# Altium PCB RFSOC_SAWG.PcbDoc (part 5 of 15) (continued)
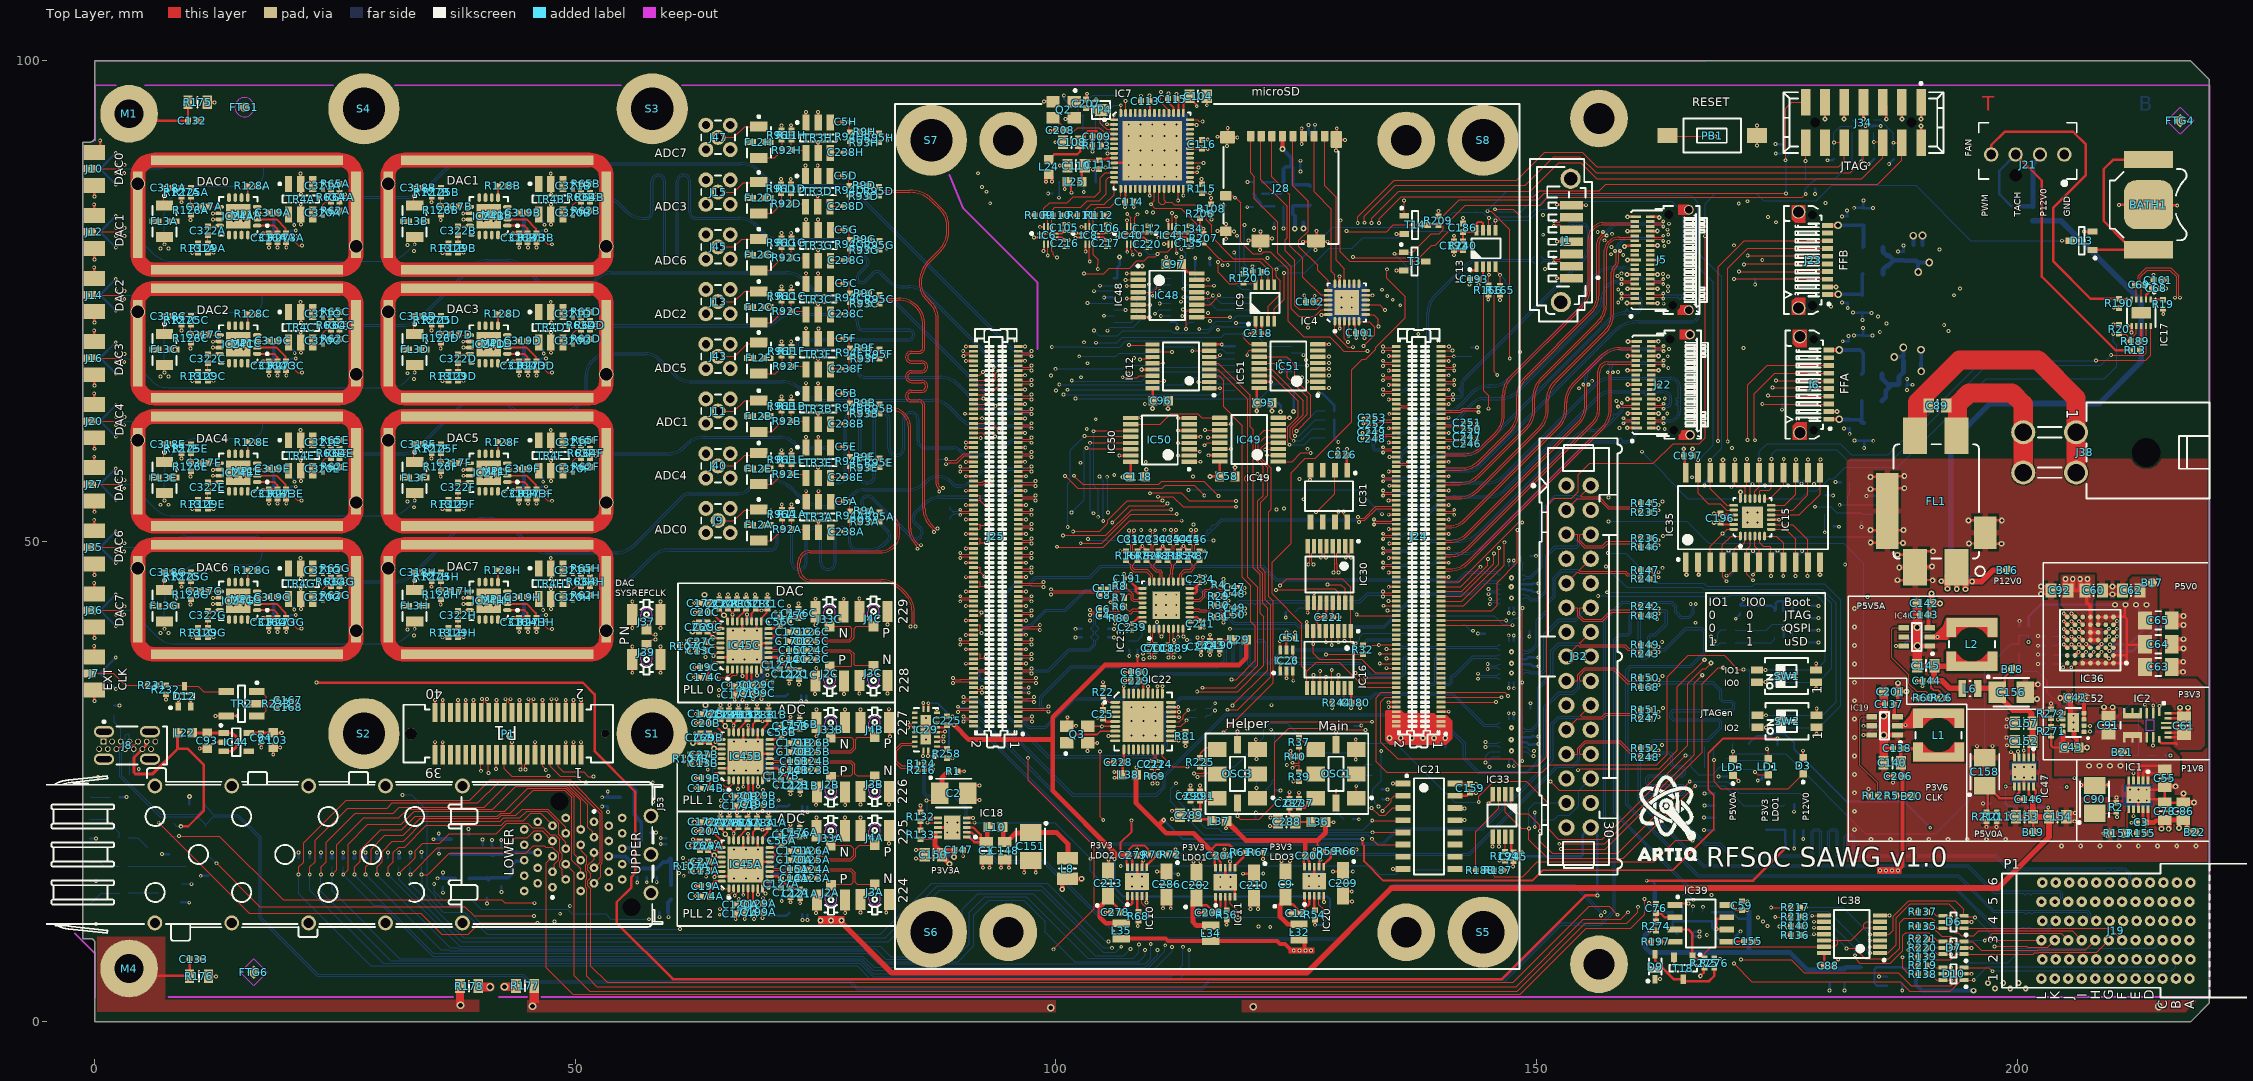
[diagram p0: Top Layer view]
## Nets (pads, with @x,y where several pads share a name; then routed paths per layer and width w, separated by ;. In a path a pad name is that pad's centre, name@x,y a point inside that pad or via, vN(x,y) a via of type N, cw(c..) or ccw(c..) an arc to the next point about the centre after c; other vN are vias at no path point) (continued)
ADC_C0D_P: C5D.2 R9D.1 R94D.2 | length 2.1
  Top Layer w0.1: C5D.2@78.466,88.059 78.466,87.067 R94D.2@78.528,87.005 78.566,87.043 R9D.1@79.582,87.043
ADC_C0E_N: C238E.2 R93E.1 R94E.1 | length 2.3
  Top Layer w0.1: C238E.2@78.515,56.66 78.515,57.779 R94E.1@78.577,57.841 79.428,57.841 R93E.1@79.593,57.676
ADC_C0E_P: C5E.2 R9E.1 R94E.2 | length 2.1
  Top Layer w0.1: C5E.2@78.515,59.835 78.515,58.843 R94E.2@78.577,58.781 78.615,58.819 R9E.1@79.631,58.819
ADC_C0F_N: C238F.2 R93F.1 R94F.1 | length 2.3
  Top Layer w0.1: C238F.2@78.515,67.963 78.515,69.082 R94F.1@78.577,69.144 79.428,69.144 R93F.1@79.593,68.979
ADC_C0F_P: C5F.2 R9F.1 R94F.2 | length 2.1
  Top Layer w0.1: C5F.2@78.515,71.138 78.515,70.146 R94F.2@78.577,70.084 79.593,70.084 R9F.1@79.631,70.122
ADC_C0G_N: C238G.2 R93G.1 R94G.1 | length 2.3
  Top Layer w0.1: C238G.2@78.515,79.266 78.515,80.385 R94G.1@78.577,80.447 79.428,80.447 R93G.1@79.593,80.282
ADC_C0G_P: C5G.2 R9G.1 R94G.2 | length 2.1
  Top Layer w0.1: C5G.2@78.515,82.441 78.515,81.449 R94G.2@78.577,81.387 78.615,81.425 R9G.1@79.631,81.425
ADC_C0H_N: C238H.2 R93H.1 R94H.1 | length 2.3
  Top Layer w0.1: C238H.2@78.504,90.461 78.504,91.58 R94H.1@78.566,91.642 79.417,91.642 R93H.1@79.582,91.477
ADC_C0H_P: C5H.2 R9H.1 R94H.2 | length 2.1
  Top Layer w0.1: C5H.2@78.504,93.636 78.504,92.644 R94H.2@78.566,92.582 79.582,92.582 R9H.1@79.62,92.62
ADC_CLK_224_N: C15A.2 C124A.1 J25.35 | length 44.7
  Top Layer w0.093: J25.35@96.085,39.272 96.4,39.272 96.54,39.412 97.35,39.412 97.45,39.312 v1(97.45,39.259)
  Mid-Layer 6 w0.08: v8(73.74,15.796) 73.733,15.796 73.446,15.509 72.891,15.509 72.618,15.236 72.618,14.551 73.026,14.143 76.752,14.143 85.93,23.32 85.932,23.32 89.13,26.518 90.761,26.518 91.8,27.557 91.8,35.15 92.043,35.393 94.536,35.393 94.832,35.689 94.832,37.7 96.551,39.419 97.243,39.419 97.403,39.259 v1(97.45,39.259)
ADC_CLK_224_P: C14A.2 C123A.1 J25.37 | length 44.7
  Top Layer w0.093: J25.37@96.085,39.772 96.4,39.772 96.54,39.632 97.35,39.632 97.45,39.732 v1(97.45,39.786)
  Mid-Layer 6 w0.08: v8(73.725,15.015) 73.725,15.022 73.446,15.302 72.977,15.302 72.825,15.15 72.825,14.636 73.111,14.35 73.129,14.35 73.686,14.35 73.756,14.42 73.756,14.43 73.826,14.5 73.966,14.5 74.036,14.43 74.036,14.42 74.106,14.35 74.246,14.35 74.316,14.42 74.316,14.43 74.386,14.5 74.526,14.5 74.596,14.43 74.596,14.42 74.666,14.35 74.806,14.35 74.876,14.42 74.876,14.43 74.946,14.5 75.086,14.5 75.156,14.43 75.156,14.42 75.226,14.35 75.366,14.35 75.436,14.42 75.436,14.43 75.506,14.5 75.646,14.5 75.716,14.43 75.716,14.42 75.786,14.35 75.926,14.35 75.996,14.42 75.996,14.43 76.066,14.5 76.206,14.5 76.276,14.43 76.276,14.42 76.346,14.35 76.666,14.35 85.844,23.527 85.846,23.527 89.044,26.725 90.675,26.725 91.593,27.643 91.593,35.236 91.957,35.6 94.45,35.6 94.625,35.775 94.625,37.786 96.465,39.626 97.243,39.626 97.403,39.786 v1(97.45,39.786)
ADC_CLK_225_N: C126A.1 C171A.2 J25.53 | length 44.7
  Top Layer w0.093: J25.53@96.085,43.772 96.4,43.772 96.54,43.912 97.35,43.912 97.45,43.812 v1(97.45,43.759)
  Mid-Layer 6 w0.08: v8(73.74,17.696) 73.733,17.696 73.446,17.409 73.016,17.409 72.825,17.6 72.825,18.15 73.25,18.575 73.475,18.575 73.795,18.575 73.865,18.505 73.865,18.495 73.935,18.425 74.075,18.425 74.145,18.495 74.145,18.505 74.215,18.575 74.355,18.575 74.425,18.505 74.425,18.495 74.495,18.425 74.635,18.425 74.705,18.495 74.705,18.505 74.775,18.575 74.915,18.575 74.985,18.505 74.985,18.495 75.055,18.425 75.195,18.425 75.265,18.495 75.265,18.505 75.335,18.575 75.475,18.575 75.545,18.505 75.545,18.495 75.615,18.425 75.755,18.425 75.825,18.495 75.825,18.505 75.895,18.575 76.14,18.575 78.375,18.575 80.712,20.912 81.907,22.107 81.907,22.907 86.076,27.076 87.003,27.076 87.073,27.145 88.071,27.145 91.1,30.175 91.1,36.2 92.168,37.268 92.893,37.268 95.075,39.45 95.075,42.207 96.787,43.919 97.243,43.919 97.403,43.759 v1(97.45,43.759)
ADC_CLK_225_P: C125A.1 C170A.2 J25.55 | length 44.8
  Top Layer w0.093: J25.55@96.085,44.272 96.4,44.272 96.54,44.132 97.35,44.132 97.45,44.232 v1(97.45,44.286)
  Mid-Layer 6 w0.08: v8(73.725,16.915) 73.725,16.922 73.446,17.202 72.931,17.202 72.618,17.514 72.618,18.236 73.164,18.782 78.289,18.782 80.626,21.119 81.7,22.193 81.7,22.993 85.99,27.283 86.918,27.283 86.987,27.352 87.985,27.352 90.893,30.261 90.893,36.286 92.082,37.475 92.807,37.475 94.868,39.536 94.868,42.293 96.701,44.126 97.243,44.126 97.403,44.286 v1(97.45,44.286)
ADC_CLK_226_N: C15B.2 C124B.1 J25.71 | length 44.7
  Top Layer w0.093: J25.71@96.085,48.272 96.4,48.272 96.54,48.412 97.35,48.412 97.45,48.312 v1(97.45,48.259)
  Mid-Layer 3 w0.08: v1@97.403,48.259 v1(97.45,48.259)
  Mid-Layer 6 w0.08: v8@73.745,27.036 v8(73.74,27.036) 73.738,27.036 73.451,26.749 72.896,26.749 72.623,26.477 72.623,25.792 72.906,25.509 77.009,25.509 78.612,27.113 78.744,27.244 78.744,27.621 78.01,28.355 78.01,28.56 78.215,28.765 78.42,28.765 79.829,27.356 80.206,27.356 80.532,27.682 80.532,28.059 80.148,28.443 80.148,28.648 80.337,28.838 81.7,30.2 81.7,33.884 82.345,34.529 82.354,34.529 90.15,42.325 91.136,42.325 93.007,44.196 93.007,44.814 96.612,48.419 97.243,48.419 97.403,48.259 v1(97.45,48.259)
ADC_CLK_226_P: C14B.2 C123B.1 J25.73 | length 44.7
  Top Layer w0.093: J25.73@96.085,48.772 96.4,48.772 96.54,48.632 97.35,48.632 97.45,48.732 v1(97.45,48.786)
  Mid-Layer 3 w0.08: v1@97.403,48.786 v1(97.45,48.786)
  Mid-Layer 6 w0.08: v8@73.73,26.255 73.73,26.263 73.451,26.542 72.982,26.542 72.83,26.391 72.83,25.877 72.991,25.716 73.623,25.716 73.693,25.786 73.693,25.796 73.763,25.866 73.903,25.866 73.973,25.796 73.973,25.786 74.043,25.716 74.183,25.716 74.253,25.786 74.253,25.796 74.323,25.866 74.463,25.866 74.533,25.796 74.533,25.786 74.603,25.716 74.743,25.716 74.813,25.786 74.813,25.796 74.883,25.866 75.023,25.866 75.093,25.796 75.093,25.786 75.163,25.716 75.303,25.716 75.373,25.786 75.373,25.796 75.443,25.866 75.583,25.866 75.653,25.796 75.653,25.786 75.723,25.716 75.863,25.716 75.933,25.786 75.933,25.796 76.003,25.866 76.143,25.866 76.213,25.796 76.213,25.786 76.283,25.716 76.603,25.716 76.923,25.716 78.466,27.259 78.537,27.33 78.537,27.535 77.803,28.27 77.803,28.646 78.129,28.972 78.506,28.972 79.915,27.563 80.12,27.563 80.325,27.768 80.325,27.973 79.941,28.357 79.941,28.734 80.191,28.984 81.493,30.286 81.493,33.97 82.259,34.736 82.268,34.736 90.064,42.532 91.05,42.532 92.8,44.282 92.8,44.9 96.526,48.626 97.243,48.626 97.403,48.786 v1(97.45,48.786)
  other v8: 73.725,26.255
ADC_CLK_227_N: C126B.1 C171B.2 J25.89 | length 44.7
  Top Layer w0.093: J25.89@96.085,52.772 96.4,52.772 96.54,52.912 97.35,52.912 97.45,52.812 v1(97.45,52.759)
  Mid-Layer 6 w0.08: v8@73.745,28.936 v8(73.74,28.936) 73.738,28.936 73.451,28.649 73.021,28.649 72.83,28.841 72.83,28.904 72.83,29.224 72.9,29.294 72.91,29.294 72.98,29.364 72.98,29.504 72.91,29.574 72.9,29.574 72.83,29.644 72.83,29.849 72.83,29.98 72.895,30.045 72.945,30.095 73.215,30.095 73.285,30.025 73.285,29.984 73.355,29.914 73.495,29.914 73.565,29.984 73.565,30.025 73.635,30.095 73.775,30.095 73.845,30.025 73.845,29.984 73.915,29.914 74.055,29.914 74.125,29.984 74.125,30.025 74.195,30.095 74.67,30.095 75.614,30.095 75.801,30.095 76.067,30.361 76.067,31.4 76.212,31.545 76.502,31.545 76.647,31.4 76.647,29.89 76.913,29.624 77.375,29.624 77.641,29.89 77.641,29.95 77.786,30.095 78.238,30.095 78.455,30.095 80.4,32.039 80.4,35.155 89.246,44.001 90.745,45.5 91.143,45.5 95.175,49.532 95.175,51.675 96.419,52.919 97.243,52.919 97.403,52.759 v1(97.45,52.759)
ADC_CLK_227_P: C125B.1 C170B.2 J25.91 | length 44.8
  Top Layer w0.093: J25.91@96.085,53.272 96.4,53.272 96.54,53.132 97.35,53.132 97.45,53.232 v1(97.45,53.286)
  Mid-Layer 6 w0.08: v8@73.73,28.155 73.73,28.163 73.451,28.442 72.936,28.442 72.623,28.755 72.623,30.066 72.859,30.302 75.614,30.302 75.715,30.302 75.86,30.447 75.86,31.485 76.126,31.752 76.588,31.752 76.854,31.485 76.854,29.976 76.999,29.831 77.289,29.831 77.434,29.976 77.434,30.035 77.7,30.302 78.238,30.302 78.37,30.302 80.193,32.125 80.193,35.241 89.039,44.086 90.659,45.707 91.057,45.707 94.968,49.618 94.968,51.761 96.333,53.126 97.243,53.126 97.403,53.286 v1(97.45,53.286)
  other v8: 73.725,28.155
ADC_S0A: R11A.1 R92A.2 TR3A.6 | length 2.8
  Top Layer w0.1: R11A.1@72.507,52.356 R92A.2@72.507,51.264 73.732,51.264 74.031,50.966 TR3A.6@74.031,50.944
ADC_S0B: R11B.1 R92B.2 TR3B.6 | length 2.8
  Top Layer w0.1: R11B.1@72.481,63.594 R92B.2@72.481,62.502 73.706,62.502 74.005,62.203 TR3B.6@74.005,62.182
ADC_S0C: R11C.1 R92C.2 TR3C.6 | length 2.8
  Top Layer w0.1: R11C.1@72.481,75.024 R92C.2@72.481,73.932 73.706,73.932 74.005,73.633 TR3C.6@74.005,73.612
ADC_S0D: R11D.1 R92D.2 TR3D.6 | length 2.8
  Top Layer w0.1: R11D.1@72.432,86.23 R92D.2@72.432,85.138 73.658,85.138 73.956,84.839 TR3D.6@73.956,84.818
ADC_S0E: R11E.1 R92E.2 TR3E.6 | length 2.8
  Top Layer w0.1: R11E.1@72.481,58.006 72.481,57.011 R92E.2@72.47,57 73.706,57 74.005,56.701 TR3E.6@74.005,56.594
ADC_S0F: R11F.1 R92F.2 TR3F.6 | length 2.8
  Top Layer w0.1: R11F.1@72.481,69.309 R92F.2@72.481,68.217 73.706,68.217 74.005,67.918 TR3F.6@74.005,67.897
ADC_S0G: R11G.1 R92G.2 TR3G.6 | length 2.8
  Top Layer w0.1: R11G.1@72.481,80.612 R92G.2@72.481,79.52 73.706,79.52 74.005,79.221 TR3G.6@74.005,79.2
ADC_S0H: R11H.1 R92H.2 TR3H.6 | length 2.8
  Top Layer w0.1: R11H.1@72.47,91.807 R92H.2@72.47,90.715 73.696,90.715 73.994,90.416 TR3H.6@73.994,90.395
ALERT_N: IC17.7 J24.15 R20.2 | length 107.7
  Top Layer w0.127: J24.15@140.085,34.272 146.703,34.272 v1(147.05,33.925) ; v1(210.014,71.589) 210.03,71.605 R20.2@210.625,71.605 ; R20.2@210.625,71.529 211.296,71.529 211.5,71.325 211.825,71.325 211.826,71.326 212.083,71.326 212.406,71.65 212.406,72.381 IC17.7@212.425,72.4
  Mid-Layer 3 w0.127: v1(147.05,33.925) 147.078,33.953 148.278,33.953 150.9,36.575 150.9,57.2 153.025,59.325 v1(160.975,59.325)
  Bottom Layer w0.127: v1(160.975,59.325) 163.389,56.911 163.389,56.811 165.75,54.45 177.525,54.45 178.325,55.25 179.175,55.25 180.45,56.525 180.915,56.525 182.115,57.725 187.575,57.725 196.775,66.925 209.063,66.925 210.375,68.237 210.375,70.4 210.014,70.761 v1(210.014,71.589)
B128_CLK1_N: C48.2 J24.91 | length 32.1
  Top Layer w0.093: C48.2@118.958,44.548 118.983,44.548 119.136,44.701 119.136,44.733 119.191,44.788 119.409,44.788 119.563,44.634 v1(119.617,44.634) ; J24.91@140.085,53.272 140.4,53.272 140.54,53.132 141.35,53.132 141.45,53.232 v1(141.45,53.286)
  Mid-Layer 6 w0.08: v1(119.617,44.634) 119.57,44.634 119.41,44.794 119.038,44.794 118.818,45.014 118.818,45.636 119.329,46.146 119.329,47.804 125.325,53.8 132.389,53.8 134.056,52.132 136.327,52.132 137.321,53.126 141.243,53.126 141.403,53.286 v1(141.45,53.286)
B128_CLK1_P: C47.2 J24.89 | length 32.1
  Top Layer w0.093: C47.2@118.958,45.248 118.983,45.248 119.136,45.094 119.136,45.062 119.191,45.008 119.409,45.008 119.563,45.161 v1(119.617,45.161) ; J24.89@140.085,52.772 140.4,52.772 140.54,52.912 141.35,52.912 141.45,52.812 v1(141.45,52.759)
  Mid-Layer 6 w0.08: 119.535,46.06 119.025,45.55 119.025,45.1 119.124,45.001 119.41,45.001 119.57,45.161 v1(119.617,45.161) ; 119.536,46.061 119.536,46.38 119.606,46.45 119.662,46.45 119.732,46.52 119.732,46.66 119.662,46.73 119.606,46.73 119.536,46.8 119.536,46.94 119.606,47.01 119.662,47.01 119.732,47.08 119.732,47.22 119.662,47.29 119.606,47.29 119.536,47.36 119.536,47.661 119.536,47.718 119.684,47.866 119.91,48.092 120.009,48.092 120.045,48.057 120.143,48.057 120.242,48.156 120.242,48.255 120.207,48.29 120.207,48.389 120.409,48.591 125.411,53.593 132.303,53.593 133.971,51.925 136.413,51.925 137.406,52.919 141.243,52.919 141.403,52.759 v1(141.45,52.759)
B128_RX0_N: J5.B15 J24.97 | length 41.8
  Top Layer w0.093: J24.97@140.085,54.772 140.4,54.772 140.54,54.632 141.98,54.632 ccw(c141.98,57.172) 143.776,55.376 150.286,61.886 ccw(c148.49,63.682) 151.03,63.682 151.03,64.688 cw(c153.788,64.688) 151.03,64.691 cw(c153.788,64.688) 151.835,66.635 cw(c153.788,64.688) 151.838,66.638 157.061,71.861 ccw(c155.265,73.657) 157.805,73.657 157.805,77.998 cw(c158.693,77.998) 158.065,78.626 ccw(c157.437,79.254) 158.325,79.254 158.325,80 158.172,80.154 v5(158.172,80.225) ; J5.B15@161.825,81.775 162.125,81.775 162.265,81.635 162.992,81.635 163.146,81.789 v5(163.2,81.789)
  Bottom Layer w0.093: v5(158.172,80.225) 158.172,80.279 158.325,80.433 158.325,80.572 cw(c158.877,80.572) 158.325,80.574 cw(c158.877,80.572) 158.486,80.962 ; 158.487,80.963 158.855,81.331 ; 158.856,81.332 cw(c159.588,80.599) 159.588,81.635 162.992,81.635 163.146,81.789 v5(163.2,81.789)
B128_RX0_P: J5.B14 J24.95 | length 41.8
  Top Layer w0.093: J24.95@140.085,54.272 140.4,54.272 140.54,54.412 141.981,54.412 ccw(c141.981,57.17) 143.931,55.22 150.442,61.731 ccw(c148.492,63.681) 150.444,61.733 ccw(c148.492,63.681) 151.25,63.681 151.25,64.687 cw(c153.79,64.687) 151.994,66.483 157.217,71.706 ccw(c155.267,73.656) 157.219,71.708 ccw(c155.267,73.656) 158.025,73.656 158.025,77.907 cw(c158.913,77.907) 158.285,78.535 ; 158.285,78.535 ccw(c157.657,79.163) 158.545,79.163 158.545,80 158.699,80.154 v5(158.699,80.225) ; J5.B14@161.825,81.275 162.125,81.275 162.265,81.415 162.992,81.415 163.146,81.262 v5(163.2,81.262)
  Bottom Layer w0.093: v5(158.699,80.225) 158.699,80.279 158.545,80.433 158.545,80.571 cw(c158.879,80.571) 158.643,80.808 158.946,81.111 ; 158.947,81.112 cw(c159.679,80.379) 159.679,81.415 162.992,81.415 163.146,81.262 v5(163.2,81.262)
B128_RX1_N: J5.A15 J24.103 | length 36.5
  Top Layer w0.093: J24.103@140.085,56.272 140.4,56.272 140.54,56.132 142.08,56.132 ccw(c142.08,58.672) 143.876,56.876 148.861,61.861 ccw(c147.065,63.657) 149.605,63.657 149.605,64.974 cw(c152.363,64.974) 149.605,64.978 cw(c152.363,64.974) 150.41,66.921 cw(c152.363,64.974) 150.413,66.924 156.336,72.847 ccw(c154.54,74.643) 157.08,74.643 157.08,80.286 cw(c158.301,80.286) 157.438,81.149 157.446,81.157 cw(c158.6,80.004) 157.448,81.159 cw(c158.6,80.004) 158.6,81.635 159.785,81.635 159.925,81.775 J5.A15@160.225,81.775
B128_RX1_P: J5.A14 J24.101 | length 36.5
  Top Layer w0.093: J24.101@140.085,55.772 140.4,55.772 140.54,55.912 142.081,55.912 ccw(c142.081,58.67) 144.031,56.72 149.017,61.706 ccw(c147.067,63.656) 149.019,61.708 ccw(c147.067,63.656) 149.825,63.656 149.825,64.973 cw(c152.365,64.973) 150.569,66.769 156.492,72.692 ccw(c154.542,74.642) 156.494,72.694 ccw(c154.542,74.642) 157.3,74.642 157.3,80.277 cw(c158.322,80.277) 157.599,80.999 cw(c158.603,79.996) 158.603,81.415 159.785,81.415 159.925,81.275 J5.A14@160.225,81.275
B128_RX2_N: J5.B18 J24.109 | length 41.1
  Top Layer w0.093: J24.109@140.085,57.772 140.4,57.772 140.54,57.632 142.18,57.632 ccw(c142.18,60.172) 143.976,58.376 147.211,61.611 ccw(c145.415,63.407) 147.955,63.407 147.955,65.124 cw(c150.713,65.124) 147.955,65.128 cw(c150.713,65.124) 148.76,67.071 cw(c150.713,65.124) 148.763,67.074 155.556,73.867 ccw(c153.76,75.663) 156.3,75.663 156.3,81.059 cw(c157.128,81.059) 156.542,81.645 ; 156.543,81.645 156.785,81.888 156.863,81.966 156.863,82.135 v5(156.922,82.194) ; J5.B18@161.825,83.275 162.125,83.275 162.265,83.135 162.992,83.135 163.146,83.288 v5(163.2,83.288)
  Bottom Layer w0.093: v5(156.922,82.194) 156.961,82.232 157.178,82.232 157.661,82.716 ; 157.662,82.717 cw(c158.673,81.704) 158.673,83.135 162.992,83.135 163.146,83.288 v5(163.2,83.288)
B128_RX2_P: J5.B17 J24.107 | length 41.1
  Top Layer w0.093: J24.107@140.085,57.272 140.4,57.272 140.54,57.412 142.181,57.412 ccw(c142.181,60.17) 144.131,58.22 147.367,61.456 ccw(c145.417,63.406) 147.369,61.458 ccw(c145.417,63.406) 148.175,63.406 148.175,65.123 cw(c150.715,65.123) 148.919,66.919 155.712,73.712 ccw(c153.762,75.662) 155.714,73.714 ccw(c153.762,75.662) 156.52,75.662 156.52,80.968 cw(c157.348,80.968) 156.762,81.553 ; 156.763,81.554 156.876,81.668 156.991,81.783 157.256,81.783 v5(157.295,81.821) ; J5.B17@161.825,82.775 162.125,82.775 162.265,82.915 162.992,82.915 163.146,82.762 v5(163.2,82.762)
  Bottom Layer w0.093: v5(157.295,81.821) 157.333,81.86 157.333,82.077 157.752,82.496 ; 157.753,82.497 cw(c158.764,81.484) 158.764,82.915 162.992,82.915 163.146,82.762 v5(163.2,82.762)
B128_RX3_N: J5.A18 J24.115 | length 36.2
  Top Layer w0.093: J24.115@140.085,59.272 140.4,59.272 140.54,59.132 142.48,59.132 ccw(c142.48,61.672) 144.276,59.876 145.711,61.311 ccw(c143.915,63.107) 146.455,63.107 146.455,65.213 cw(c149.213,65.213) 146.455,65.216 cw(c149.213,65.213) 147.26,67.16 cw(c149.213,65.213) 147.263,67.163 154.636,74.536 ccw(c152.84,76.332) 155.38,76.332 155.38,81.524 cw(c156.991,81.524) 155.851,82.663 155.917,82.728 cw(c156.9,81.744) 155.918,82.729 cw(c156.9,81.744) 156.9,83.135 159.421,83.135 159.785,83.135 159.925,83.275 J5.A18@160.225,83.275
B128_RX3_P: J5.A17 J24.113 | length 36.2
  Top Layer w0.093: J24.113@140.085,58.772 140.4,58.772 140.54,58.912 142.481,58.912 ccw(c142.481,61.67) 144.431,59.72 145.867,61.156 ccw(c143.917,63.106) 145.869,61.158 ccw(c143.917,63.106) 146.675,63.106 146.675,65.212 cw(c149.215,65.212) 147.419,67.008 154.792,74.381 ccw(c152.842,76.331) 154.794,74.383 ccw(c152.842,76.331) 155.6,76.331 155.6,81.433 cw(c157.211,81.433) 156.071,82.571 cw(c156.901,81.742) 156.901,82.915 159.785,82.915 159.925,82.775 J5.A17@160.225,82.775
B128_TX0_N: J5.B2 J24.100 | length 48.9
  Top Layer w0.093: v5(134.05,55.286) 134.05,55.232 134.15,55.132 134.96,55.132 135.1,55.272 J24.100@135.415,55.272 ; J5.B2@161.825,75.275 162.125,75.275 162.265,75.415 162.992,75.415 163.146,75.262 v5(163.2,75.262)
  Bottom Layer w0.093: v5(134.05,55.286) 134.104,55.286 134.258,55.132 136.305,55.132 ccw(c136.305,57.672) 138.101,55.876 138.862,56.637 cw(c140.812,54.687) 138.864,56.639 cw(c140.812,54.687) 140.812,57.445 142.907,57.445 ccw(c142.907,58.959) 143.977,57.888 157.931,71.842 cw(c160.606,69.166) 160.606,72.95 166.092,72.95 ccw(c166.092,73.633) 166.575,73.15 ccw(c166.092,73.633) 166.775,73.633 166.775,74.536 ccw(c165.836,74.536) 166.5,75.2 ccw(c165.981,74.681) 166.051,75.412 ccw(c165.981,74.681) 165.981,75.415 165.705,75.415 165.658,75.415 ccw(c165.658,75.294) 165.537,75.294 165.537,75.221 cw(c165.415,75.221) 165.415,75.099 cw(c165.415,75.221) 165.294,75.221 165.294,75.294 ccw(c165.172,75.294) 165.172,75.415 ccw(c165.172,75.294) 165.051,75.294 cw(c164.929,75.293) 164.929,75.172 cw(c164.929,75.293) 164.808,75.293 ccw(c164.686,75.294) 164.686,75.415 164.502,75.415 163.408,75.415 163.254,75.262 v5(163.2,75.262)
B128_TX0_P: J5.B3 J24.98 | length 48.9
  Top Layer w0.093: v5(134.05,54.759) 134.05,54.812 134.15,54.912 134.96,54.912 135.1,54.772 J24.98@135.415,54.772 ; J5.B3@161.825,75.775 162.125,75.775 162.265,75.635 162.992,75.635 163.146,75.788 v5(163.2,75.788)
  Bottom Layer w0.093: v5(134.05,54.759) 134.104,54.759 134.258,54.912 136.384,54.912 ccw(c136.384,57.481) 138.201,55.665 139.017,56.481 cw(c140.813,54.685) 140.813,57.225 142.908,57.225 ccw(c142.908,58.957) 144.132,57.732 158.086,71.686 cw(c160.607,69.164) 160.607,72.73 166.093,72.73 ccw(c166.093,73.631) 166.73,72.994 166.731,72.995 ccw(c166.094,73.632) 166.995,73.632 166.995,74.54 ccw(c165.845,74.54) 166.658,75.353 166.653,75.358 ccw(c165.984,74.688) 165.984,75.635 163.408,75.635 163.254,75.788 v5(163.2,75.788)
B128_TX1_N: J5.A2 J24.106 | length 40.2
  Top Layer w0.093: v5(134.05,56.786) 134.05,56.732 134.15,56.632 134.96,56.632 135.1,56.772 J24.106@135.415,56.772 ; v5(158.85,75.262) 158.904,75.262 159.058,75.415 159.785,75.415 159.925,75.275 J5.A2@160.225,75.275
  Bottom Layer w0.093: v5(134.05,56.786) 134.104,56.786 134.258,56.632 135.83,56.632 ccw(c135.83,59.172) 137.626,57.376 138.658,58.408 cw(c140.608,56.458) 138.659,58.409 cw(c140.608,56.458) 140.608,59.215 142.563,59.215 ccw(c142.563,61.755) 144.266,59.871 ccw(c142.563,61.755) 144.359,59.959 155.912,71.513 157.54,73.14 cw(c159.302,71.378) 157.541,73.141 cw(c159.302,71.378) 159.104,73.862 cw(c159.302,71.378) 159.15,73.865 159.154,73.865 ccw(c159.15,73.987) 159.272,73.987 159.272,74.008 cw(c159.393,74.008) 159.393,74.129 cw(c159.393,74.008) 159.515,74.008 159.515,73.992 ccw(c159.636,73.992) 159.636,73.87 159.964,73.87 160.14,73.87 ccw(c160.14,74.485) 160.575,74.05 ccw(c160.032,74.593) 160.8,74.593 160.8,74.984 ccw(c160.509,74.984) 160.715,75.19 ccw(c160.171,74.646) 160.647,75.25 ccw(c160.171,74.646) 160.171,75.415 160.124,75.415 ccw(c160.124,75.294) 160.003,75.294 160.003,75.286 cw(c159.881,75.286) 159.881,75.165 cw(c159.881,75.286) 159.76,75.286 159.76,75.294 ccw(c159.638,75.294) 159.638,75.415 159.275,75.415 159.058,75.415 158.904,75.262 v5(158.85,75.262)
B128_TX1_P: J5.A3 J24.104 | length 40.2
  Top Layer w0.093: v5(134.05,56.259) 134.05,56.312 134.15,56.412 134.96,56.412 135.1,56.272 J24.104@135.415,56.272 ; v5(158.85,75.788) 158.904,75.788 159.058,75.635 159.785,75.635 159.925,75.775 J5.A3@160.225,75.775
  Bottom Layer w0.093: v5(134.05,56.259) 134.104,56.259 134.258,56.412 135.831,56.412 ccw(c135.831,59.17) 137.781,57.22 138.813,58.251 cw(c140.609,56.455) 140.609,58.995 142.564,58.995 ccw(c142.564,61.753) 144.349,59.651 ccw(c142.564,61.753) 144.514,59.803 ; 144.514,59.803 157.693,72.982 cw(c159.306,71.369) 159.306,73.65 160.143,73.65 ccw(c160.143,74.479) 160.729,73.893 160.732,73.896 ccw(c160.037,74.591) 161.02,74.591 161.02,74.986 ccw(c160.514,74.986) 160.872,75.344 160.869,75.346 ccw(c160.172,74.649) 160.718,75.47 ccw(c160.172,74.649) 160.172,75.635 159.058,75.635 158.904,75.788 v5(158.85,75.788)
B128_TX2_N: J5.A5 J24.112 | length 35.6
  Top Layer w0.093: J24.112@135.415,58.272 135.73,58.272 135.87,58.132 136.442,58.132 136.596,58.286 v5(136.65,58.286) ; v5(158.85,76.762) 158.904,76.762 159.058,76.915 159.785,76.915 159.925,76.775 J5.A5@160.225,76.775
  Bottom Layer w0.093: 136.159,59.109 ccw(c136.543,58.725) 136,58.725 136,58.466 ccw(c136.341,58.466) 136.1,58.225 ccw(c136.324,58.449) 136.324,58.132 136.442,58.132 136.596,58.286 v5(136.65,58.286) ; 136.159,59.109 136.237,59.187 136.442,59.392 cw(c136.528,59.306) 136.614,59.392 136.636,59.37 ccw(c136.722,59.456) 136.808,59.37 ccw(c136.722,59.456) 136.808,59.542 136.786,59.564 cw(c136.872,59.65) 136.786,59.736 cw(c136.872,59.65) 136.958,59.736 ccw(c137.044,59.822) 137.13,59.736 ccw(c137.044,59.822) 137.13,59.908 cw(c137.215,59.994) 137.13,60.08 137.31,60.26 138.483,61.433 cw(c140.279,59.637) 140.279,62.177 140.795,62.177 ccw(c140.795,63.521) 141.746,62.571 143.518,64.343 cw(c144.5,63.362) 144.5,64.75 146.219,64.75 ccw(c146.219,67.508) 148.169,65.557 156.318,73.707 ccw(c154.732,75.293) 156.975,75.293 cw(c158.682,75.293) 157.475,76.5 157.624,76.649 ; 157.625,76.65 cw(c158.266,76.007) 158.266,76.915 158.642,76.915 158.796,76.762 v5(158.85,76.762)
B128_TX2_P: J5.A6 J24.110 | length 35.7
  Top Layer w0.093: J24.110@135.415,57.772 135.73,57.772 135.87,57.912 136.442,57.912 136.596,57.759 v5(136.65,57.759) ; v5(158.85,77.289) 158.904,77.289 159.058,77.135 159.785,77.135 159.925,77.275 J5.A6@160.225,77.275
  Bottom Layer w0.093: v5(136.65,57.759) 136.596,57.759 136.442,57.912 136.321,57.912 cw(c136.321,58.444) 135.946,58.068 135.943,58.071 cw(c136.336,58.464) 135.78,58.464 135.78,58.727 cw(c136.538,58.727) 136.002,59.263 138.328,61.589 cw(c140.278,59.639) 140.278,62.397 140.793,62.397 ccw(c140.793,63.527) 141.592,62.728 143.364,64.5 cw(c144.498,63.367) 144.498,64.97 146.218,64.97 ccw(c146.218,67.51) 147.989,65.689 ccw(c146.218,67.51) 148.014,65.714 156.098,73.798 ccw(c154.512,75.384) 156.755,75.384 ; 156.755,75.316 cw(c158.626,75.316) 157.302,76.638 157.47,76.807 cw(c158.263,76.014) 157.472,76.808 cw(c158.263,76.014) 158.263,77.135 158.642,77.135 158.796,77.289 v5(158.85,77.289)
B128_TX3_N: J5.B5 J24.118 | length 43.6
  Top Layer w0.093: v5(134.05,59.786) 134.05,59.732 134.15,59.632 134.96,59.632 135.1,59.772 J24.118@135.415,59.772 ; J5.B5@161.825,76.775 162.125,76.775 162.265,76.915 162.992,76.915 163.146,76.762 v5(163.2,76.762)
  Bottom Layer w0.093: v5(134.05,59.786) ccw(c134.05,59.654) 133.957,59.747 cw(c133.679,60.025) 133.679,59.632 133.362,59.632 cw(c133.362,59.869) 133.125,59.869 133.125,60.108 cw(c133.222,60.108) 133.222,60.205 133.279,60.205 ccw(c133.279,60.301) 133.279,60.398 133.222,60.398 cw(c133.222,60.494) 133.125,60.494 133.125,60.561 133.13,60.62 cw(c133.475,60.561) 133.141,60.666 cw(c133.475,60.561) 133.475,60.911 133.628,60.911 133.917,60.911 cw(c133.917,60.789) 134.039,60.789 134.039,60.782 ccw(c134.16,60.782) 134.16,60.661 ccw(c134.16,60.782) 134.282,60.782 134.282,60.789 cw(c134.403,60.789) 134.403,60.911 134.768,60.911 135.005,60.911 ccw(c135.005,63.668) 136.955,61.718 137.922,62.686 cw(c139.7,60.908) 139.7,63.422 140.341,63.422 ccw(c140.341,66.18) 142.291,64.23 143.5,65.439 cw(c144.975,63.964) 144.975,66.05 145.319,66.05 ccw(c145.319,68.808) 147.269,66.858 154.584,74.173 ccw(c153.459,75.298) 155.05,75.298 155.05,75.398 cw(c157.59,75.398) 155.794,77.194 156.206,77.606 cw(c158.002,75.81) 158.002,78.35 158.925,78.35 cw(c158.925,76.264) 160.4,77.739 160.482,77.657 ccw(c162.274,79.45) 162.274,76.915 162.829,76.915 cw(c162.829,76.522) 163.107,76.8 ccw(c163.2,76.893) v5(163.2,76.762)
B128_TX3_P: J5.B6 J24.116 | length 43.7
  Top Layer w0.093: v5(134.05,59.259) 134.05,59.312 134.15,59.412 134.96,59.412 135.1,59.272 J24.116@135.415,59.272 ; J5.B6@161.825,77.275 162.125,77.275 162.265,77.135 162.992,77.135 163.146,77.288 v5(163.2,77.288)
  Bottom Layer w0.093: v5(134.05,59.259) cw(c134.05,59.39) 133.957,59.297 ccw(c133.679,59.02) 133.679,59.412 133.362,59.412 cw(c133.362,59.869) 132.905,59.869 132.905,60.561 cw(c133.475,60.561) 133.475,61.131 135.004,61.131 ccw(c135.004,63.671) 136.8,61.875 137.767,62.842 cw(c139.699,60.91) 139.699,63.642 140.34,63.642 ccw(c140.34,66.182) 142.136,64.386 143.345,65.595 cw(c144.974,63.967) 144.974,66.27 145.318,66.27 ccw(c145.318,68.81) 147.114,67.014 154.427,74.327 ccw(c153.454,75.3) 154.83,75.3 154.83,75.399 cw(c157.588,75.399) 155.638,77.349 156.051,77.762 cw(c158.001,75.812) 158.001,78.57 158.927,78.57 cw(c158.927,76.27) 160.554,77.896 160.636,77.814 ccw(c162.275,79.453) 162.275,77.135 162.829,77.135 ccw(c162.829,77.528) 163.107,77.25 cw(c163.2,77.157) v5(163.2,77.288)
B129_CLK1_N: C46.2 J24.94 | length 24.1
  Top Layer w0.093: v1(114.576,51.175) 114.576,51.121 114.423,50.967 114.423,50.783 114.477,50.729 114.522,50.729 114.675,50.575 C46.2@114.675,50.55 ; v1(131.44,52.54) 131.524,52.54 131.646,52.418 132.057,52.418 133.271,53.632 134.96,53.632 135.1,53.772 J24.94@135.415,53.772
  Bottom Layer w0.093: v1(114.576,51.175) 114.576,51.121 114.423,50.967 114.423,50.754 114.477,50.7 115.525,50.7 115.611,50.786 115.76,50.935 115.76,51.038 115.747,51.051 115.747,51.154 115.851,51.258 115.955,51.258 115.967,51.246 116.071,51.246 116.174,51.349 116.174,51.453 116.143,51.484 116.143,51.587 116.247,51.691 116.351,51.691 116.381,51.66 116.485,51.66 116.725,51.9 117.192,52.367 131.232,52.367 131.406,52.54 v1(131.44,52.54)